# KiCad board slime88.kicad_pcb (continued)
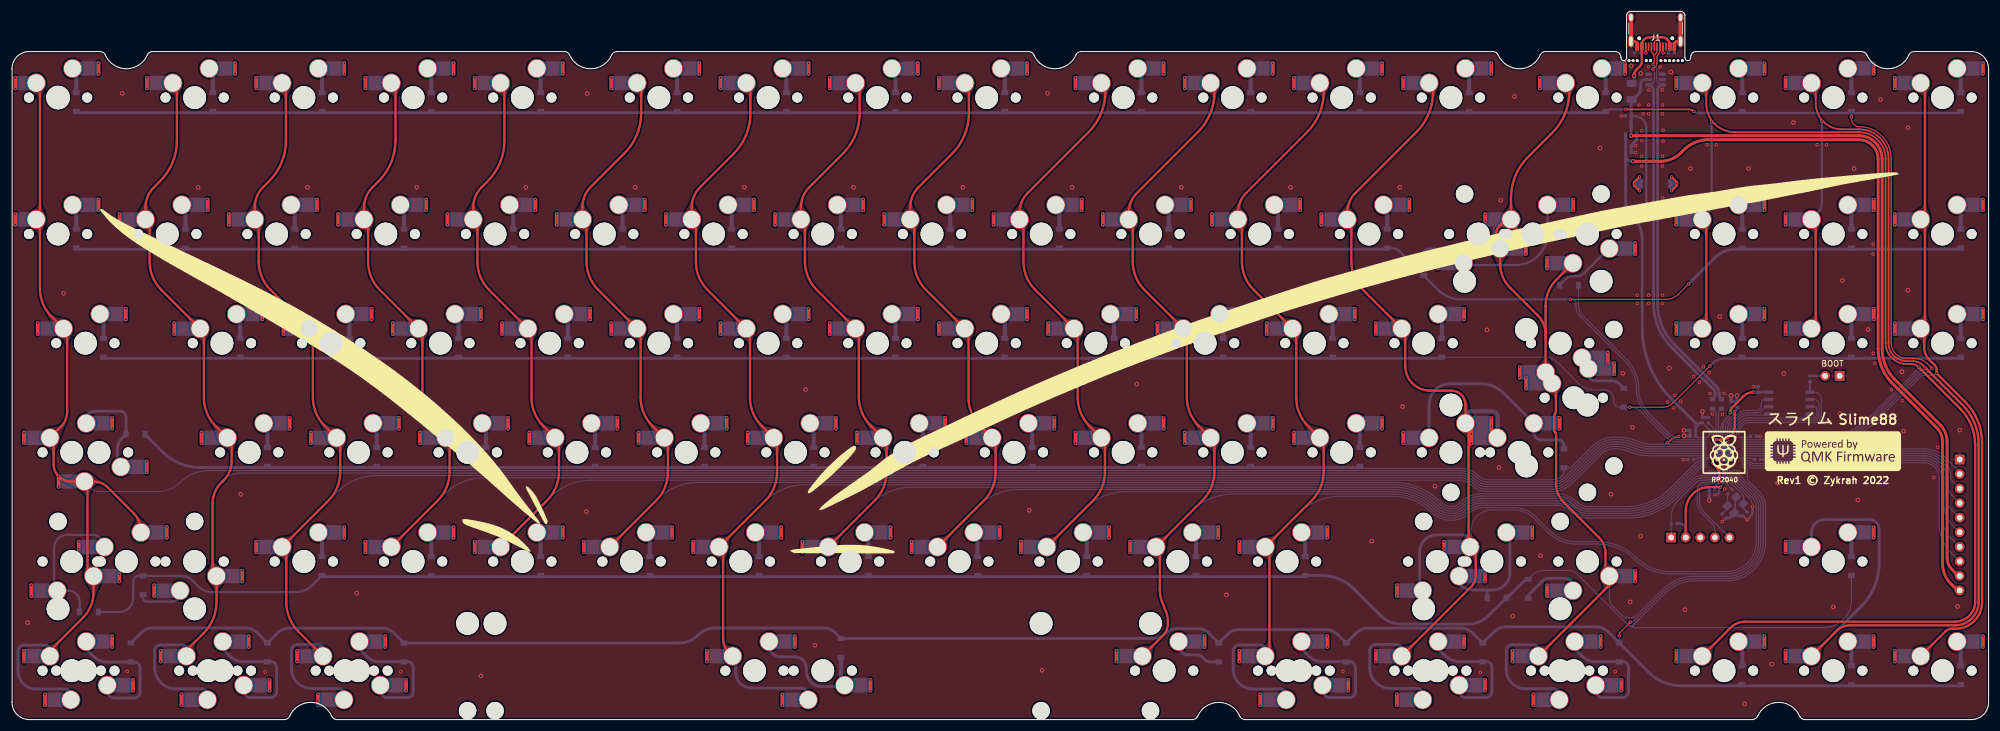
[diagram p0: board, top side]
## Copper pours and planes (outline as drawn; the poured copper is in the pictures) (continued)
Net-(D11-Pad2) on Bottom: 216.34,110.44 216.35,110.87 216.4,111.23 216.47,111.54 216.55,111.81 216.64,112.06 216.73,112.3 216.82,112.55 216.9,112.83 216.96,113.15 217,113.52 215.04,114.38 214.26,112.38 214.49,112.19 214.7,112.03 214.9,111.88 215.08,111.74 215.24,111.6 215.38,111.44 215.49,111.25 215.57,111.03 215.62,110.77 215.64,110.44
Net-(D12-Pad2) on Bottom: 235.39,110.44 235.4,110.87 235.45,111.23 235.52,111.54 235.6,111.81 235.69,112.06 235.78,112.3 235.87,112.55 235.95,112.83 236.01,113.15 236.05,113.52 234.09,114.38 233.31,112.38 233.54,112.19 233.75,112.03 233.95,111.88 234.13,111.74 234.29,111.6 234.43,111.44 234.54,111.25 234.62,111.03 234.67,110.77 234.69,110.44
Net-(D13-Pad2) on Bottom: 254.44,110.44 254.45,110.87 254.5,111.23 254.57,111.54 254.65,111.81 254.74,112.06 254.83,112.3 254.92,112.55 255,112.83 255.06,113.15 255.1,113.52 253.14,114.38 252.36,112.38 252.59,112.19 252.8,112.03 253,111.88 253.18,111.74 253.34,111.6 253.48,111.44 253.59,111.25 253.67,111.03 253.72,110.77 253.74,110.44
Net-(D14-Pad2) on Bottom: 278.25,110.44 278.27,110.87 278.31,111.24 278.38,111.54 278.46,111.81 278.55,112.06 278.65,112.3 278.74,112.55 278.81,112.83 278.87,113.15 278.91,113.52 276.95,114.38 276.17,112.38 276.4,112.19 276.61,112.03 276.81,111.88 276.99,111.74 277.15,111.6 277.29,111.44 277.4,111.26 277.48,111.04 277.53,110.77 277.55,110.44
Net-(D15-Pad2) on Bottom: 302.06,110.44 302.08,110.87 302.12,111.23 302.19,111.54 302.27,111.81 302.36,112.06 302.46,112.3 302.55,112.55 302.63,112.83 302.69,113.15 302.72,113.52 300.76,114.38 299.98,112.38 300.21,112.19 300.42,112.03 300.62,111.88 300.8,111.74 300.96,111.6 301.1,111.44 301.21,111.25 301.29,111.03 301.34,110.77 301.36,110.44
Net-(D16-Pad2) on Bottom: 321.11,110.44 321.13,110.87 321.17,111.23 321.24,111.54 321.32,111.81 321.41,112.06 321.51,112.3 321.6,112.55 321.68,112.83 321.74,113.15 321.77,113.52 319.81,114.38 319.03,112.38 319.26,112.19 319.47,112.03 319.67,111.88 319.85,111.74 320.01,111.6 320.15,111.44 320.26,111.25 320.34,111.03 320.39,110.77 320.41,110.44
Net-(D17-Pad2) on Bottom: 340.16,110.44 340.18,110.87 340.22,111.23 340.29,111.54 340.37,111.81 340.46,112.06 340.56,112.3 340.65,112.55 340.73,112.83 340.79,113.15 340.82,113.52 338.86,114.38 338.08,112.38 338.31,112.19 338.52,112.03 338.72,111.88 338.9,111.74 339.06,111.6 339.2,111.44 339.31,111.25 339.39,111.03 339.44,110.77 339.46,110.44
Net-(D18-Pad2) on Bottom: 11.55,86.63 11.57,87.06 11.61,87.42 11.68,87.73 11.76,88 11.85,88.25 11.95,88.49 12.03,88.74 12.11,89.01 12.17,89.33 12.21,89.71 10.25,90.57 9.47,88.57 9.7,88.38 9.91,88.22 10.11,88.07 10.29,87.93 10.45,87.79 10.59,87.63 10.7,87.44 10.78,87.22 10.83,86.95 10.85,86.63
Net-(D19-Pad2) on Bottom: 30.6,86.63 30.62,87.06 30.66,87.42 30.73,87.73 30.81,88 30.9,88.25 31,88.49 31.08,88.74 31.16,89.01 31.22,89.33 31.26,89.71 29.3,90.57 28.52,88.57 28.75,88.38 28.96,88.22 29.16,88.07 29.34,87.93 29.5,87.79 29.64,87.63 29.75,87.44 29.83,87.22 29.88,86.95 29.9,86.63
Net-(D20-Pad2) on Bottom: 49.65,86.63 49.67,87.06 49.71,87.42 49.78,87.73 49.86,88 49.95,88.25 50.05,88.49 50.13,88.74 50.21,89.01 50.27,89.33 50.31,89.71 48.35,90.57 47.57,88.57 47.8,88.38 48.01,88.22 48.21,88.07 48.39,87.93 48.55,87.79 48.69,87.63 48.8,87.44 48.88,87.22 48.93,86.95 48.95,86.63
Net-(D21-Pad2) on Bottom: 68.7,86.63 68.72,87.06 68.76,87.42 68.83,87.73 68.91,88 69,88.25 69.1,88.49 69.18,88.74 69.26,89.01 69.32,89.33 69.36,89.71 67.4,90.57 66.62,88.57 66.85,88.38 67.06,88.22 67.26,88.07 67.44,87.93 67.6,87.79 67.74,87.63 67.85,87.44 67.93,87.22 67.98,86.95 68,86.63
Net-(D22-Pad2) on Bottom: 87.75,86.63 87.77,87.06 87.81,87.42 87.88,87.73 87.96,88 88.05,88.25 88.15,88.49 88.23,88.74 88.31,89.01 88.37,89.33 88.41,89.71 86.45,90.57 85.67,88.57 85.9,88.38 86.11,88.22 86.31,88.07 86.49,87.93 86.65,87.79 86.79,87.63 86.9,87.44 86.98,87.22 87.03,86.95 87.05,86.63
Net-(D23-Pad2) on Bottom: 106.8,86.63 106.82,87.06 106.86,87.42 106.93,87.73 107.01,88 107.1,88.25 107.2,88.49 107.28,88.74 107.36,89.01 107.42,89.33 107.46,89.71 105.5,90.57 104.72,88.57 104.95,88.38 105.16,88.22 105.36,88.07 105.54,87.93 105.7,87.79 105.84,87.63 105.95,87.44 106.03,87.22 106.08,86.95 106.1,86.63
Net-(D24-Pad2) on Bottom: 125.85,86.63 125.87,87.06 125.91,87.42 125.98,87.73 126.06,88 126.15,88.25 126.25,88.49 126.33,88.74 126.41,89.01 126.47,89.33 126.51,89.71 124.55,90.57 123.77,88.57 124,88.38 124.21,88.22 124.41,88.07 124.59,87.93 124.75,87.79 124.89,87.63 125,87.44 125.08,87.22 125.13,86.95 125.15,86.63
Net-(D25-Pad2) on Bottom: 144.9,86.63 144.92,87.06 144.96,87.42 145.03,87.73 145.11,88 145.2,88.25 145.3,88.49 145.38,88.74 145.46,89.01 145.52,89.33 145.56,89.71 143.6,90.57 142.82,88.57 143.05,88.38 143.26,88.22 143.46,88.07 143.64,87.93 143.8,87.79 143.94,87.63 144.05,87.44 144.13,87.22 144.18,86.95 144.2,86.63
Net-(D26-Pad2) on Bottom: 163.95,86.63 163.97,87.06 164.01,87.42 164.08,87.73 164.16,88 164.25,88.25 164.35,88.49 164.43,88.74 164.51,89.01 164.57,89.33 164.61,89.71 162.65,90.57 161.87,88.57 162.1,88.38 162.31,88.22 162.51,88.07 162.69,87.93 162.85,87.79 162.99,87.63 163.1,87.44 163.18,87.22 163.23,86.95 163.25,86.63
Net-(D27-Pad2) on Bottom: 183,86.63 183.02,87.06 183.06,87.42 183.13,87.73 183.21,88 183.3,88.25 183.4,88.49 183.48,88.74 183.56,89.01 183.62,89.33 183.66,89.71 181.7,90.57 180.92,88.57 181.15,88.38 181.36,88.22 181.56,88.07 181.74,87.93 181.9,87.79 182.04,87.63 182.15,87.44 182.23,87.22 182.28,86.95 182.3,86.63
Net-(D28-Pad2) on Bottom: 202.05,86.63 202.07,87.06 202.11,87.42 202.18,87.73 202.26,88 202.35,88.25 202.45,88.49 202.53,88.74 202.61,89.01 202.67,89.33 202.71,89.71 200.75,90.57 199.97,88.57 200.2,88.38 200.41,88.22 200.61,88.07 200.79,87.93 200.95,87.79 201.09,87.63 201.2,87.44 201.28,87.22 201.33,86.95 201.35,86.63
Net-(D29-Pad2) on Bottom: 221.1,86.63 221.12,87.06 221.16,87.42 221.23,87.73 221.31,88 221.4,88.25 221.5,88.49 221.58,88.74 221.66,89.01 221.72,89.33 221.76,89.71 219.8,90.57 219.02,88.57 219.25,88.38 219.46,88.22 219.66,88.07 219.84,87.93 220,87.79 220.14,87.63 220.25,87.44 220.33,87.22 220.38,86.95 220.4,86.63
Net-(D30-Pad2) on Bottom: 240.15,86.63 240.17,87.06 240.21,87.42 240.28,87.73 240.36,88 240.45,88.25 240.55,88.49 240.64,88.74 240.71,89.02 240.77,89.33 240.81,89.71 238.85,90.57 238.07,88.57 238.3,88.38 238.51,88.22 238.71,88.07 238.89,87.93 239.05,87.79 239.19,87.63 239.3,87.44 239.38,87.22 239.43,86.95 239.45,86.63
Net-(D31-Pad2) on Bottom: 256.4,79.51 256.04,79.53 255.74,79.59 255.5,79.68 255.3,79.81 255.12,79.96 254.96,80.13 254.79,80.32 254.61,80.52 254.4,80.74 254.14,80.95 252.33,79.81 253.54,78.04 253.89,78.15 254.19,78.28 254.45,78.42 254.67,78.56 254.89,78.7 255.11,78.83 255.36,78.94 255.64,79.03 255.99,79.09 256.4,79.11
Net-(D31-Pad2) on Bottom: 250.9,81.95 251.17,81.94 251.37,81.87 251.52,81.74 251.61,81.57 251.66,81.35 251.68,81.1 251.67,80.83 251.63,80.55 251.58,80.27 251.52,80 253.33,78.84 252.94,81.28 252.67,81.29 252.44,81.36 252.26,81.49 252.1,81.64 251.95,81.82 251.79,81.99 251.62,82.15 251.42,82.27 251.17,82.34 250.85,82.34
Net-(D31-Pad2) on Bottom: 267.97,86.5 267.99,86.89 268.05,87.22 268.14,87.48 268.26,87.71 268.4,87.91 268.55,88.1 268.72,88.31 268.9,88.53 269.07,88.79 269.24,89.11 267.73,90.63 266.27,89.06 266.44,88.75 266.62,88.5 266.8,88.28 266.97,88.08 267.13,87.89 267.27,87.7 267.39,87.47 267.48,87.21 267.54,86.89 267.56,86.5
Net-(D32-Pad2) on Bottom: 276.29,79.76 276.58,80.02 276.84,80.2 277.09,80.32 277.33,80.39 277.57,80.42 277.82,80.44 278.08,80.45 278.36,80.47 278.67,80.52 279.01,80.6 279.14,82.74 277,82.79 276.89,82.45 276.81,82.14 276.77,81.86 276.74,81.6 276.71,81.35 276.67,81.11 276.59,80.87 276.46,80.61 276.27,80.34 276.01,80.04
Net-(D33-Pad2) on Bottom: 302.06,86.63 302.08,87.06 302.12,87.42 302.19,87.73 302.27,88 302.36,88.25 302.46,88.49 302.55,88.74 302.63,89.01 302.69,89.33 302.72,89.71 300.76,90.57 299.98,88.57 300.21,88.38 300.42,88.22 300.62,88.07 300.8,87.93 300.96,87.79 301.1,87.63 301.21,87.44 301.29,87.22 301.34,86.95 301.36,86.63
Net-(D34-Pad2) on Bottom: 321.11,86.63 321.13,87.06 321.17,87.42 321.24,87.73 321.32,88 321.41,88.25 321.51,88.49 321.6,88.74 321.68,89.01 321.74,89.33 321.77,89.71 319.81,90.57 319.03,88.57 319.26,88.38 319.47,88.22 319.67,88.07 319.85,87.93 320.01,87.79 320.15,87.63 320.26,87.44 320.34,87.22 320.39,86.95 320.41,86.63
Net-(D35-Pad2) on Bottom: 340.16,86.63 340.18,87.06 340.22,87.42 340.29,87.73 340.37,88 340.46,88.25 340.56,88.49 340.65,88.74 340.73,89.01 340.79,89.33 340.82,89.71 338.86,90.57 338.08,88.57 338.31,88.38 338.52,88.22 338.72,88.07 338.9,87.93 339.06,87.79 339.2,87.63 339.31,87.44 339.39,87.22 339.44,86.95 339.46,86.63
Net-(D36-Pad2) on Bottom: 16.31,67.58 16.33,68.01 16.37,68.37 16.44,68.68 16.52,68.95 16.61,69.2 16.71,69.44 16.8,69.69 16.88,69.97 16.94,70.28 16.97,70.66 15.01,71.52 14.23,69.52 14.46,69.33 14.68,69.17 14.87,69.02 15.05,68.88 15.21,68.74 15.35,68.58 15.46,68.39 15.54,68.17 15.59,67.9 15.61,67.58
Net-(D37-Pad2) on Bottom: 40.12,67.58 40.14,68.01 40.19,68.37 40.25,68.68 40.34,68.95 40.43,69.2 40.52,69.44 40.61,69.69 40.69,69.96 40.75,70.28 40.79,70.66 38.82,71.52 38.04,69.52 38.27,69.33 38.49,69.17 38.69,69.02 38.87,68.88 39.03,68.74 39.16,68.58 39.27,68.39 39.36,68.17 39.41,67.9 39.42,67.58
Net-(D38-Pad2) on Bottom: 59.17,67.58 59.19,68.01 59.24,68.37 59.3,68.68 59.39,68.95 59.48,69.2 59.57,69.44 59.66,69.69 59.74,69.97 59.8,70.28 59.84,70.66 57.87,71.52 57.1,69.52 57.32,69.33 57.54,69.17 57.74,69.02 57.92,68.88 58.08,68.74 58.21,68.58 58.32,68.39 58.41,68.17 58.46,67.9 58.48,67.58
Net-(D39-Pad2) on Bottom: 78.23,67.58 78.24,68.01 78.29,68.37 78.35,68.68 78.44,68.95 78.53,69.2 78.62,69.44 78.71,69.69 78.79,69.96 78.85,70.28 78.89,70.66 76.92,71.52 76.14,69.52 76.37,69.33 76.59,69.17 76.79,69.02 76.97,68.88 77.13,68.74 77.26,68.58 77.37,68.39 77.46,68.17 77.51,67.9 77.53,67.58
Net-(D40-Pad2) on Bottom: 97.27,67.58 97.29,68.01 97.34,68.37 97.4,68.68 97.49,68.95 97.58,69.2 97.67,69.44 97.76,69.69 97.84,69.96 97.9,70.28 97.94,70.66 95.97,71.52 95.19,69.52 95.42,69.33 95.64,69.17 95.84,69.02 96.02,68.88 96.18,68.74 96.31,68.58 96.42,68.39 96.51,68.17 96.56,67.9 96.58,67.58
Net-(D41-Pad2) on Bottom: 116.33,67.58 116.34,68.01 116.39,68.37 116.45,68.68 116.54,68.95 116.63,69.2 116.72,69.44 116.81,69.69 116.89,69.96 116.95,70.28 116.99,70.66 115.02,71.52 114.24,69.52 114.47,69.33 114.69,69.17 114.89,69.02 115.07,68.88 115.23,68.74 115.36,68.58 115.47,68.39 115.56,68.17 115.61,67.9 115.63,67.58
Net-(D42-Pad2) on Bottom: 135.38,67.58 135.39,68.01 135.44,68.37 135.5,68.68 135.59,68.95 135.68,69.2 135.77,69.44 135.86,69.69 135.94,69.96 136,70.28 136.04,70.66 134.07,71.52 133.29,69.52 133.52,69.33 133.74,69.17 133.94,69.02 134.12,68.88 134.28,68.74 134.41,68.58 134.52,68.39 134.61,68.17 134.66,67.9 134.68,67.58
Net-(D43-Pad2) on Bottom: 154.43,67.58 154.44,68.01 154.49,68.37 154.55,68.68 154.64,68.95 154.73,69.2 154.82,69.44 154.91,69.69 154.99,69.96 155.05,70.28 155.09,70.66 153.12,71.52 152.34,69.52 152.57,69.33 152.79,69.17 152.99,69.02 153.17,68.88 153.33,68.74 153.46,68.58 153.57,68.39 153.66,68.17 153.71,67.9 153.73,67.58
Net-(D44-Pad2) on Bottom: 173.48,67.58 173.49,68.01 173.54,68.37 173.6,68.68 173.69,68.95 173.78,69.2 173.87,69.44 173.96,69.69 174.04,69.96 174.1,70.28 174.14,70.66 172.17,71.52 171.39,69.52 171.62,69.33 171.84,69.17 172.04,69.02 172.22,68.88 172.38,68.74 172.51,68.58 172.62,68.39 172.71,68.17 172.76,67.9 172.77,67.58
Net-(D45-Pad2) on Bottom: 192.52,67.58 192.54,68.01 192.59,68.37 192.65,68.68 192.74,68.95 192.83,69.2 192.92,69.44 193.01,69.69 193.09,69.96 193.15,70.28 193.19,70.66 191.22,71.52 190.44,69.52 190.67,69.33 190.89,69.17 191.09,69.02 191.27,68.88 191.43,68.74 191.56,68.58 191.67,68.39 191.76,68.17 191.81,67.9 191.82,67.58
Net-(D46-Pad2) on Bottom: 211.57,67.58 211.59,68.01 211.64,68.37 211.7,68.68 211.79,68.95 211.88,69.2 211.97,69.44 212.06,69.69 212.14,69.96 212.2,70.28 212.24,70.66 210.27,71.52 209.49,69.52 209.72,69.33 209.94,69.17 210.14,69.02 210.32,68.88 210.48,68.74 210.61,68.58 210.72,68.39 210.81,68.17 210.86,67.9 210.88,67.58
Net-(D47-Pad2) on Bottom: 230.62,67.58 230.64,68.01 230.69,68.37 230.75,68.68 230.84,68.95 230.93,69.2 231.02,69.44 231.11,69.69 231.19,69.96 231.25,70.28 231.29,70.66 229.32,71.52 228.54,69.52 228.77,69.33 228.99,69.17 229.19,69.02 229.37,68.88 229.53,68.74 229.66,68.58 229.77,68.39 229.86,68.17 229.91,67.9 229.93,67.58
Net-(D48-Pad2) on Bottom: 249.68,67.58 249.69,68.01 249.74,68.37 249.8,68.68 249.89,68.95 249.98,69.2 250.07,69.44 250.16,69.69 250.24,69.96 250.3,70.28 250.34,70.66 248.37,71.52 247.59,69.52 247.82,69.33 248.04,69.17 248.24,69.02 248.42,68.88 248.58,68.74 248.71,68.58 248.82,68.39 248.91,68.17 248.96,67.9 248.98,67.58
Net-(D49-Pad2) on Bottom: 275.23,60.15 275.24,60.56 275.25,60.91 275.27,61.2 275.3,61.46 275.32,61.71 275.35,61.94 275.38,62.19 275.4,62.45 275.41,62.76 275.42,63.12 273.42,63.88 272.74,61.85 272.99,61.67 273.25,61.53 273.49,61.42 273.73,61.32 273.95,61.21 274.14,61.09 274.3,60.94 274.43,60.74 274.51,60.48 274.53,60.15
Net-(D49-Pad2) on Bottom: 273.42,63.14 273.42,62.93 273.42,62.74 273.41,62.57 273.41,62.41 273.4,62.26 273.39,62.13 273.37,62.01 273.35,61.91 273.34,61.82 273.31,61.74 275.44,60.62 274.53,62.84 274.49,62.84 274.45,62.84 274.4,62.85 274.35,62.86 274.29,62.89 274.24,62.92 274.19,62.96 274.16,63.01 274.13,63.07 274.12,63.14
Net-(D49-Pad2) on Bottom: 276.59,59.37 276.42,59.39 276.3,59.45 276.23,59.55 276.19,59.67 276.19,59.82 276.22,59.98 276.26,60.15 276.32,60.33 276.38,60.51 276.44,60.68 274.79,62.05 274.88,59.58 275.1,59.56 275.29,59.51 275.44,59.43 275.57,59.33 275.7,59.22 275.82,59.12 275.97,59.02 276.13,58.94 276.34,58.89 276.59,58.87
Net-(D50-Pad2) on Bottom: 302.06,67.58 302.08,68.01 302.12,68.37 302.19,68.68 302.27,68.95 302.36,69.2 302.46,69.44 302.55,69.69 302.63,69.96 302.69,70.28 302.72,70.66 300.76,71.52 299.98,69.52 300.21,69.33 300.42,69.17 300.62,69.02 300.8,68.88 300.96,68.74 301.1,68.58 301.21,68.39 301.29,68.17 301.34,67.9 301.36,67.58
Net-(D51-Pad2) on Bottom: 321.11,67.58 321.13,68.01 321.17,68.37 321.24,68.68 321.32,68.95 321.41,69.2 321.51,69.44 321.6,69.69 321.68,69.96 321.74,70.28 321.77,70.66 319.81,71.52 319.03,69.52 319.26,69.33 319.47,69.17 319.67,69.02 319.85,68.88 320.01,68.74 320.15,68.58 320.26,68.39 320.34,68.17 320.39,67.9 320.41,67.58
Net-(D52-Pad2) on Bottom: 340.16,67.58 340.18,68.01 340.22,68.37 340.29,68.68 340.37,68.95 340.46,69.2 340.56,69.44 340.65,69.69 340.73,69.96 340.79,70.28 340.82,70.66 338.86,71.52 338.08,69.52 338.31,69.33 338.52,69.17 338.72,69.02 338.9,68.88 339.06,68.74 339.2,68.58 339.31,68.39 339.39,68.17 339.44,67.9 339.46,67.58
Net-(D53-Pad2) on Bottom: 14.82,54.06 14.55,54.04 14.33,53.98 14.14,53.91 13.98,53.81 13.84,53.71 13.7,53.6 13.55,53.51 13.38,53.43 13.19,53.37 12.95,53.36 12.77,50.9 14.55,52.08 14.5,52.28 14.45,52.48 14.4,52.69 14.37,52.88 14.35,53.06 14.36,53.22 14.4,53.36 14.49,53.47 14.63,53.53 14.82,53.56
Net-(D53-Pad2) on Bottom: 18.59,48.76 18.33,48.29 18.17,47.87 18.08,47.49 18.05,47.13 18.04,46.79 18.03,46.46 18.01,46.12 17.94,45.76 17.81,45.38 17.58,44.97 19.3,43.32 20.07,45.32 19.75,45.61 19.45,45.89 19.19,46.17 18.96,46.45 18.79,46.74 18.68,47.05 18.63,47.37 18.67,47.71 18.79,48.09 19.01,48.49
Net-(D54-Pad2) on Bottom: 44.89,48.53 44.9,48.96 44.95,49.32 45.02,49.63 45.1,49.9 45.19,50.15 45.28,50.39 45.37,50.64 45.45,50.91 45.51,51.23 45.55,51.61 43.59,52.47 42.81,50.47 43.04,50.28 43.25,50.12 43.45,49.97 43.63,49.83 43.79,49.69 43.93,49.53 44.04,49.34 44.12,49.12 44.17,48.85 44.19,48.53
Net-(D55-Pad2) on Bottom: 63.94,48.53 63.95,48.96 64,49.32 64.07,49.63 64.15,49.9 64.24,50.15 64.33,50.39 64.42,50.64 64.5,50.91 64.56,51.23 64.6,51.61 62.64,52.47 61.86,50.47 62.09,50.28 62.3,50.12 62.5,49.97 62.68,49.83 62.84,49.69 62.98,49.53 63.09,49.34 63.17,49.12 63.22,48.85 63.24,48.53
Net-(D56-Pad2) on Bottom: 82.99,48.53 83,48.96 83.05,49.32 83.12,49.63 83.2,49.9 83.29,50.15 83.38,50.39 83.47,50.64 83.55,50.91 83.61,51.23 83.65,51.61 81.69,52.47 80.91,50.47 81.14,50.28 81.35,50.12 81.55,49.97 81.73,49.83 81.89,49.69 82.03,49.53 82.14,49.34 82.22,49.12 82.27,48.85 82.29,48.53
Net-(D57-Pad2) on Bottom: 102.04,48.53 102.05,48.96 102.1,49.32 102.17,49.63 102.25,49.9 102.34,50.15 102.43,50.39 102.52,50.64 102.6,50.91 102.66,51.23 102.7,51.61 100.74,52.47 99.96,50.47 100.19,50.28 100.4,50.12 100.6,49.97 100.78,49.83 100.94,49.69 101.08,49.53 101.19,49.34 101.27,49.12 101.32,48.85 101.34,48.53
Net-(D58-Pad2) on Bottom: 121.09,48.53 121.1,48.96 121.15,49.32 121.22,49.63 121.3,49.9 121.39,50.15 121.48,50.39 121.57,50.64 121.65,50.91 121.71,51.23 121.75,51.61 119.79,52.47 119.01,50.47 119.24,50.28 119.45,50.12 119.65,49.97 119.83,49.83 119.99,49.69 120.13,49.53 120.24,49.34 120.32,49.12 120.37,48.85 120.39,48.53
Net-(D59-Pad2) on Bottom: 140.14,48.53 140.15,48.96 140.2,49.32 140.27,49.63 140.35,49.9 140.44,50.15 140.53,50.39 140.62,50.64 140.7,50.91 140.76,51.23 140.8,51.61 138.84,52.47 138.06,50.47 138.29,50.28 138.5,50.12 138.7,49.97 138.88,49.83 139.04,49.69 139.18,49.53 139.29,49.34 139.37,49.12 139.42,48.85 139.44,48.53
Net-(D60-Pad2) on Bottom: 159.19,48.53 159.2,48.96 159.25,49.32 159.32,49.63 159.4,49.9 159.49,50.15 159.58,50.39 159.67,50.64 159.75,50.91 159.81,51.23 159.85,51.61 157.89,52.47 157.11,50.47 157.34,50.28 157.55,50.12 157.75,49.97 157.93,49.83 158.09,49.69 158.23,49.53 158.34,49.34 158.42,49.12 158.47,48.85 158.49,48.53
Net-(D61-Pad2) on Bottom: 178.24,48.53 178.25,48.96 178.3,49.32 178.37,49.63 178.45,49.9 178.54,50.15 178.63,50.39 178.72,50.64 178.8,50.91 178.86,51.23 178.9,51.61 176.94,52.47 176.16,50.47 176.39,50.28 176.6,50.12 176.8,49.97 176.98,49.83 177.14,49.69 177.28,49.53 177.39,49.34 177.47,49.12 177.52,48.85 177.54,48.53
Net-(D62-Pad2) on Bottom: 197.29,48.53 197.3,48.96 197.35,49.32 197.42,49.63 197.5,49.9 197.59,50.15 197.68,50.39 197.77,50.64 197.85,50.91 197.91,51.23 197.95,51.61 195.99,52.47 195.21,50.47 195.44,50.28 195.65,50.12 195.85,49.97 196.03,49.83 196.19,49.69 196.33,49.53 196.44,49.34 196.52,49.12 196.57,48.85 196.59,48.53
Net-(D63-Pad2) on Bottom: 216.34,48.53 216.35,48.96 216.4,49.32 216.47,49.63 216.55,49.9 216.64,50.15 216.73,50.39 216.82,50.64 216.9,50.91 216.96,51.23 217,51.61 215.04,52.47 214.26,50.47 214.49,50.28 214.7,50.12 214.9,49.97 215.08,49.83 215.24,49.69 215.38,49.53 215.49,49.34 215.57,49.12 215.62,48.85 215.64,48.53
Net-(D64-Pad2) on Bottom: 235.39,48.53 235.4,48.96 235.45,49.32 235.52,49.63 235.6,49.9 235.69,50.15 235.78,50.39 235.87,50.64 235.95,50.91 236.01,51.23 236.05,51.61 234.09,52.47 233.31,50.47 233.54,50.28 233.75,50.12 233.95,49.97 234.13,49.83 234.29,49.69 234.43,49.53 234.54,49.34 234.62,49.12 234.67,48.85 234.69,48.53
Net-(D65-Pad2) on Bottom: 266.41,49.08 266.17,49.17 266.05,49.3 266.01,49.46 266.05,49.65 266.14,49.85 266.27,50.07 266.42,50.3 266.59,50.54 266.74,50.79 266.87,51.03 265.33,52.53 264.92,50.11 265.14,50.02 265.3,49.89 265.41,49.73 265.49,49.55 265.55,49.37 265.62,49.18 265.71,49 265.84,48.83 266.02,48.7 266.27,48.59
Net-(D65-Pad2) on Bottom: 262.86,53.85 263.12,53.57 263.3,53.3 263.43,53.05 263.5,52.81 263.55,52.58 263.58,52.33 263.6,52.08 263.64,51.8 263.7,51.5 263.8,51.16 265.94,51.12 265.9,53.26 265.56,53.36 265.26,53.42 264.99,53.46 264.73,53.48 264.49,53.51 264.25,53.56 264.01,53.64 263.76,53.76 263.5,53.95 263.21,54.21
Net-(D65-Pad2) on Bottom: 270.3,48.11 270.34,48.02 270.36,47.94 270.37,47.87 270.37,47.8 270.36,47.74 270.34,47.68 270.32,47.62 270.29,47.55 270.22,47.42 270.62,47 271.03,47.42 270.99,47.51 270.96,47.6 270.94,47.68 270.92,47.76 270.89,47.92 270.87,48.01 270.84,48.1 270.8,48.21 270.75,48.33
Net-(D65-Pad2) on Bottom: 246.85,52.45 246.83,52.07 246.78,51.75 246.69,51.48 246.58,51.26 246.44,51.06 246.29,50.87 246.13,50.67 245.96,50.45 245.79,50.19 245.62,49.88 247.1,48.34 248.59,49.88 248.42,50.19 248.25,50.45 248.08,50.67 247.92,50.87 247.76,51.06 247.63,51.26 247.52,51.48 247.43,51.75 247.37,52.07 247.35,52.45
Net-(D66-Pad2) on Bottom: 11.46,21.96 11.2,22.24 10.94,22.45 10.7,22.6 10.47,22.72 10.25,22.81 10.03,22.9 9.81,23 9.59,23.14 9.36,23.32 9.12,23.57 7.04,22.5 8.59,21.01 8.89,21.18 9.18,21.38 9.45,21.58 9.7,21.77 9.95,21.93 10.19,22.04 10.42,22.09 10.66,22.06 10.91,21.94 11.16,21.7
Net-(D66-Pad2) on Bottom: 7.12,25.71 7.1,25.28 7.05,24.92 6.96,24.62 6.86,24.36 6.74,24.13 6.61,23.9 6.49,23.65 6.38,23.38 6.29,23.07 6.23,22.69 8.14,21.72 9.03,23.66 8.8,23.88 8.57,24.06 8.36,24.21 8.16,24.36 7.98,24.51 7.83,24.67 7.7,24.85 7.61,25.08 7.55,25.36 7.53,25.71
Net-(D66-Pad2) on Bottom: 13.94,32.03 14.2,32 14.38,31.91 14.49,31.78 14.56,31.61 14.58,31.4 14.57,31.17 14.54,30.92 14.51,30.65 14.48,30.38 14.47,30.11 16.48,29.37 16.12,31.77 15.85,31.78 15.62,31.83 15.42,31.91 15.24,32 15.08,32.1 14.91,32.19 14.72,32.28 14.51,32.36 14.25,32.41 13.94,32.43
Net-(D67-Pad2) on Bottom: 27.15,20.38 27.45,20.39 27.7,20.43 27.92,20.48 28.1,20.54 28.27,20.61 28.44,20.68 28.61,20.74 28.81,20.8 29.03,20.83 29.3,20.85 29.6,23.26 27.65,22.37 27.67,22.14 27.7,21.92 27.73,21.7 27.74,21.49 27.74,21.3 27.7,21.13 27.64,20.98 27.53,20.87 27.37,20.8 27.15,20.78
Net-(D68-Pad2) on Bottom: 54.41,29.48 54.43,29.91 54.47,30.27 54.54,30.58 54.62,30.85 54.71,31.1 54.81,31.34 54.9,31.59 54.98,31.86 55.04,32.18 55.07,32.56 53.11,33.42 52.33,31.42 52.56,31.23 52.77,31.07 52.97,30.92 53.15,30.78 53.31,30.64 53.45,30.48 53.56,30.29 53.64,30.07 53.69,29.8 53.71,29.48
Net-(D69-Pad2) on Bottom: 73.46,29.48 73.48,29.91 73.52,30.27 73.59,30.58 73.67,30.85 73.76,31.1 73.86,31.34 73.95,31.59 74.03,31.86 74.09,32.18 74.12,32.56 72.16,33.42 71.38,31.42 71.61,31.23 71.82,31.07 72.02,30.92 72.2,30.78 72.36,30.64 72.5,30.48 72.61,30.29 72.69,30.07 72.74,29.8 72.76,29.48
Net-(D70-Pad2) on Bottom: 92.51,29.48 92.53,29.91 92.57,30.27 92.64,30.58 92.72,30.85 92.81,31.1 92.91,31.34 93,31.59 93.08,31.86 93.14,32.18 93.17,32.56 91.21,33.42 90.43,31.42 90.66,31.23 90.87,31.07 91.07,30.92 91.25,30.78 91.41,30.64 91.55,30.48 91.66,30.29 91.74,30.07 91.79,29.8 91.81,29.48
Net-(D71-Pad2) on Bottom: 111.56,29.48 111.58,29.91 111.62,30.27 111.69,30.58 111.77,30.85 111.86,31.1 111.96,31.34 112.05,31.59 112.13,31.86 112.19,32.18 112.22,32.56 110.26,33.42 109.48,31.42 109.71,31.23 109.92,31.07 110.12,30.92 110.3,30.78 110.46,30.64 110.6,30.48 110.71,30.29 110.79,30.07 110.84,29.8 110.86,29.48
Net-(D72-Pad2) on Bottom: 130.61,29.48 130.63,29.91 130.67,30.27 130.74,30.58 130.82,30.85 130.91,31.1 131.01,31.34 131.1,31.59 131.18,31.86 131.24,32.18 131.27,32.56 129.31,33.42 128.53,31.42 128.76,31.23 128.97,31.07 129.17,30.92 129.35,30.78 129.51,30.64 129.65,30.48 129.76,30.29 129.84,30.07 129.89,29.8 129.91,29.48
Net-(D73-Pad2) on Bottom: 149.66,29.48 149.68,29.91 149.72,30.27 149.79,30.58 149.87,30.85 149.96,31.1 150.06,31.34 150.15,31.59 150.23,31.86 150.29,32.18 150.32,32.56 148.36,33.42 147.58,31.42 147.81,31.23 148.02,31.07 148.22,30.92 148.4,30.78 148.56,30.64 148.7,30.48 148.81,30.29 148.89,30.07 148.94,29.8 148.96,29.48
Net-(D74-Pad2) on Bottom: 168.71,29.48 168.73,29.91 168.77,30.27 168.84,30.58 168.92,30.85 169.01,31.1 169.11,31.34 169.2,31.59 169.28,31.86 169.34,32.18 169.37,32.56 167.41,33.42 166.63,31.42 166.86,31.23 167.07,31.07 167.27,30.92 167.45,30.78 167.61,30.64 167.75,30.48 167.86,30.29 167.94,30.07 167.99,29.8 168.01,29.48
Net-(D75-Pad2) on Bottom: 187.76,29.48 187.78,29.91 187.82,30.27 187.89,30.58 187.97,30.85 188.06,31.1 188.16,31.34 188.25,31.59 188.33,31.86 188.39,32.18 188.42,32.56 186.46,33.42 185.68,31.42 185.91,31.23 186.12,31.07 186.32,30.92 186.5,30.78 186.66,30.64 186.8,30.48 186.91,30.29 186.99,30.07 187.04,29.8 187.06,29.48
Net-(D76-Pad2) on Bottom: 206.81,29.48 206.83,29.91 206.87,30.27 206.94,30.58 207.02,30.85 207.11,31.1 207.21,31.34 207.3,31.59 207.38,31.86 207.44,32.18 207.47,32.56 205.51,33.42 204.73,31.42 204.96,31.23 205.17,31.07 205.37,30.92 205.55,30.78 205.71,30.64 205.85,30.48 205.96,30.29 206.04,30.07 206.09,29.8 206.11,29.48
Net-(D77-Pad2) on Bottom: 225.86,29.48 225.88,29.91 225.92,30.27 225.99,30.58 226.07,30.85 226.16,31.1 226.26,31.34 226.35,31.59 226.43,31.86 226.49,32.18 226.52,32.56 224.56,33.42 223.78,31.42 224.01,31.23 224.22,31.07 224.42,30.92 224.6,30.78 224.76,30.64 224.9,30.48 225.01,30.29 225.09,30.07 225.14,29.8 225.16,29.48
Net-(D78-Pad2) on Bottom: 254.15,22.92 253.94,22.98 253.79,23.09 253.7,23.22 253.66,23.38 253.66,23.56 253.69,23.75 253.74,23.96 253.81,24.18 253.88,24.4 253.94,24.62 252.18,25.84 252.02,23.42 252.29,23.35 252.5,23.26 252.68,23.16 252.84,23.05 252.99,22.93 253.14,22.81 253.31,22.7 253.51,22.59 253.76,22.5 254.06,22.42
Net-(D78-Pad2) on Bottom: 261.44,29.47 261.46,29.9 261.52,30.26 261.6,30.56 261.69,30.82 261.8,31.07 261.91,31.3 262.02,31.55 262.12,31.82 262.19,32.14 262.24,32.52 260.3,33.42 259.47,31.45 259.71,31.24 259.93,31.07 260.14,30.93 260.34,30.78 260.51,30.64 260.66,30.48 260.78,30.3 260.87,30.07 260.93,29.8 260.94,29.47
Net-(D79-Pad2) on Bottom: 270.42,24.4 270.61,24.37 270.74,24.31 270.81,24.2 270.85,24.07 270.85,23.91 270.82,23.73 270.78,23.54 270.72,23.34 270.66,23.15 270.6,22.96 272.32,21.68 272.19,24.15 271.96,24.17 271.77,24.22 271.61,24.31 271.47,24.41 271.35,24.52 271.21,24.63 271.06,24.73 270.89,24.82 270.68,24.88 270.42,24.9
Net-(D80-Pad2) on Bottom: 321.11,29.48 321.13,29.91 321.17,30.27 321.24,30.58 321.32,30.85 321.41,31.1 321.51,31.34 321.6,31.59 321.68,31.87 321.74,32.18 321.77,32.56 319.81,33.42 319.03,31.42 319.26,31.23 319.48,31.07 319.67,30.92 319.85,30.78 320.01,30.64 320.15,30.48 320.26,30.29 320.34,30.07 320.39,29.8 320.41,29.48
Net-(D81-Pad2) on Bottom: 21.87,10.18 21.74,10.23 21.63,10.27 21.53,10.3 21.44,10.32 21.28,10.35 21.19,10.36 21.11,10.38 21.02,10.41 20.92,10.46 20.5,10.05 20.92,9.65 21.06,9.72 21.13,9.75 21.19,9.77 21.26,9.79 21.33,9.8 21.4,9.8 21.47,9.79 21.56,9.77 21.65,9.73
Net-(D81-Pad2) on Bottom: 15.66,10.43 15.28,10.58 14.97,10.76 14.73,10.97 14.56,11.22 14.44,11.49 14.38,11.78 14.36,12.1 14.38,12.44 14.45,12.79 14.54,13.16 12.8,14.42 12.47,12.03 12.89,11.87 13.21,11.68 13.48,11.47 13.71,11.25 13.92,11.01 14.13,10.78 14.38,10.55 14.67,10.33 15.05,10.13 15.52,9.95
Net-(D81-Pad2) on Bottom: 18.24,4.02 18.06,4.04 17.94,4.11 17.87,4.21 17.84,4.35 17.85,4.51 17.89,4.68 17.95,4.87 18.02,5.07 18.09,5.26 18.16,5.44 16.5,6.8 16.6,4.34 16.82,4.31 16.99,4.25 17.14,4.16 17.26,4.05 17.38,3.93 17.5,3.81 17.64,3.69 17.8,3.6 18,3.54 18.24,3.52
Net-(D82-Pad2) on Bottom: 39.49,10.49 39.11,10.63 38.8,10.81 38.56,11.02 38.39,11.27 38.28,11.54 38.22,11.83 38.2,12.15 38.23,12.49 38.28,12.85 38.36,13.22 36.58,14.41 36.29,12.02 36.71,11.87 37.04,11.69 37.3,11.48 37.53,11.27 37.74,11.04 37.96,10.81 38.21,10.59 38.5,10.37 38.88,10.18 39.35,10.01
Net-(D82-Pad2) on Bottom: 42.14,4.08 41.95,4.1 41.83,4.17 41.75,4.27 41.72,4.41 41.72,4.56 41.75,4.74 41.8,4.93 41.86,5.12 41.93,5.31 41.99,5.5 40.29,6.8 40.41,4.34 40.63,4.31 40.82,4.26 40.97,4.17 41.1,4.07 41.23,3.96 41.36,3.85 41.5,3.74 41.67,3.66 41.88,3.6 42.14,3.58
Net-(D83-Pad2) on Bottom: 65.95,4.08 65.77,4.1 65.64,4.17 65.57,4.27 65.53,4.41 65.54,4.56 65.57,4.74 65.61,4.93 65.67,5.12 65.74,5.31 65.8,5.5 64.1,6.8 64.22,4.34 64.45,4.31 64.63,4.26 64.78,4.17 64.92,4.07 65.04,3.96 65.17,3.85 65.32,3.74 65.49,3.66 65.69,3.6 65.95,3.58
Net-(D83-Pad2) on Bottom: 63.45,10.42 63.04,10.53 62.71,10.7 62.45,10.91 62.26,11.16 62.13,11.44 62.05,11.75 62.03,12.09 62.04,12.45 62.09,12.83 62.18,13.22 60.4,14.41 60.24,11.99 60.67,11.86 61.01,11.68 61.28,11.47 61.5,11.23 61.71,10.97 61.93,10.72 62.18,10.47 62.48,10.25 62.86,10.07 63.35,9.93
Net-(D84-Pad2) on Bottom: 141.9,5.49 142.31,5.47 142.64,5.41 142.92,5.33 143.17,5.22 143.39,5.1 143.82,4.82 144.06,4.67 144.35,4.53 144.7,4.41 146,6.11 144.25,7.35 143.98,7.14 143.76,6.94 143.56,6.75 143.39,6.57 143.21,6.41 143.03,6.27 142.82,6.15 142.57,6.06 142.27,6.01 141.9,5.99
Net-(D84-Pad2) on Bottom: 134.09,11.19 133.83,11.21 133.64,11.29 133.49,11.42 133.4,11.6 133.35,11.8 133.34,12.03 133.36,12.28 133.41,12.54 133.48,12.79 133.56,13.04 131.93,14.43 132.06,11.96 132.34,11.93 132.56,11.83 132.74,11.69 132.89,11.51 133.03,11.32 133.17,11.13 133.33,10.95 133.53,10.81 133.78,10.72 134.1,10.69
Net-(D84-Pad2) on Bottom: 144.2,9.16 144.18,8.73 144.14,8.37 144.07,8.06 143.99,7.79 143.9,7.54 143.8,7.3 143.71,7.05 143.64,6.77 143.58,6.46 143.54,6.08 145.5,5.22 146.28,7.22 146.05,7.41 145.84,7.57 145.64,7.72 145.46,7.86 145.3,8 145.16,8.16 145.05,8.35 144.97,8.57 144.92,8.84 144.9,9.16
Net-(D85-Pad2) on Bottom: 205.14,11.55 204.94,11.57 204.8,11.65 204.73,11.76 204.7,11.91 204.71,12.09 204.75,12.28 204.81,12.49 204.88,12.71 204.96,12.92 205.03,13.13 203.32,14.42 203.45,11.96 203.67,11.93 203.86,11.86 204,11.76 204.13,11.64 204.25,11.5 204.37,11.37 204.51,11.24 204.68,11.14 204.88,11.07 205.14,11.05
Net-(D86-Pad2) on Bottom: 230.25,4.08 230.07,4.1 229.95,4.17 229.87,4.27 229.84,4.41 229.84,4.56 229.87,4.74 229.92,4.93 229.98,5.12 230.04,5.31 230.1,5.5 228.41,6.8 228.53,4.34 228.75,4.31 228.94,4.26 229.09,4.17 229.22,4.07 229.35,3.96 229.48,3.85 229.62,3.74 229.79,3.66 230,3.6 230.25,3.58
Net-(D86-Pad2) on Bottom: 227.61,10.49 227.23,10.63 226.92,10.81 226.68,11.02 226.51,11.26 226.4,11.53 226.34,11.83 226.32,12.15 226.35,12.49 226.4,12.85 226.48,13.22 224.7,14.41 224.41,12.02 224.83,11.87 225.16,11.69 225.42,11.48 225.65,11.26 225.86,11.04 226.08,10.81 226.33,10.58 226.63,10.37 227,10.18 227.47,10.01
Net-(D87-Pad2) on Bottom: 251.27,10.58 250.91,10.74 250.63,10.93 250.42,11.14 250.27,11.37 250.18,11.63 250.13,11.91 250.13,12.21 250.16,12.53 250.22,12.87 250.29,13.22 248.51,14.41 248.12,12.06 248.52,11.89 248.83,11.71 249.1,11.51 249.32,11.31 249.53,11.11 249.75,10.91 249.99,10.7 250.29,10.5 250.65,10.3 251.09,10.11
Net-(D87-Pad2) on Bottom: 254.07,4.08 253.88,4.1 253.76,4.17 253.68,4.27 253.65,4.41 253.65,4.56 253.68,4.74 253.73,4.93 253.79,5.12 253.86,5.31 253.92,5.5 252.22,6.8 252.34,4.34 252.57,4.31 252.75,4.26 252.9,4.17 253.04,4.07 253.16,3.96 253.29,3.85 253.44,3.74 253.61,3.66 253.81,3.6 254.07,3.58
Net-(D88-Pad2) on Bottom: 277.88,4.08 277.7,4.1 277.57,4.17 277.5,4.27 277.47,4.41 277.47,4.56 277.5,4.74 277.55,4.93 277.61,5.12 277.67,5.31 277.73,5.5 276.03,6.8 276.15,4.34 276.38,4.31 276.56,4.26 276.71,4.17 276.85,4.07 276.97,3.96 277.1,3.85 277.25,3.74 277.42,3.66 277.62,3.6 277.88,3.58
Net-(D88-Pad2) on Bottom: 275.24,10.48 274.86,10.62 274.55,10.8 274.31,11.01 274.14,11.26 274.03,11.53 273.97,11.83 273.95,12.15 273.97,12.49 274.03,12.84 274.11,13.22 272.33,14.41 272.04,12.02 272.46,11.87 272.79,11.69 273.06,11.48 273.29,11.26 273.5,11.03 273.71,10.8 273.96,10.58 274.26,10.36 274.63,10.17 275.11,10
Net-(D89-Pad2) on Bottom: 302.06,10.43 302.08,10.86 302.12,11.22 302.19,11.53 302.27,11.8 302.36,12.05 302.46,12.29 302.55,12.54 302.63,12.81 302.69,13.13 302.72,13.51 300.76,14.37 299.98,12.37 300.21,12.18 300.42,12.02 300.62,11.87 300.8,11.73 300.96,11.59 301.1,11.43 301.21,11.24 301.29,11.02 301.34,10.75 301.36,10.43
Net-(D90-Pad2) on Bottom: 321.11,10.43 321.13,10.86 321.17,11.22 321.24,11.53 321.32,11.8 321.41,12.05 321.51,12.29 321.6,12.54 321.68,12.81 321.74,13.13 321.77,13.51 319.81,14.37 319.03,12.37 319.26,12.18 319.47,12.02 319.67,11.87 319.85,11.73 320.01,11.59 320.15,11.43 320.26,11.24 320.34,11.02 320.39,10.75 320.41,10.43
Net-(D91-Pad2) on Bottom: 340.16,10.43 340.18,10.86 340.22,11.22 340.29,11.53 340.37,11.8 340.46,12.05 340.56,12.29 340.65,12.54 340.73,12.81 340.79,13.13 340.82,13.51 338.86,14.37 338.08,12.37 338.31,12.18 338.52,12.02 338.72,11.87 338.9,11.73 339.06,11.59 339.2,11.43 339.31,11.24 339.39,11.02 339.44,10.75 339.46,10.43

Small or netless copper shapes (teardrops, artwork), in the pictures only: 54 on Top, 233 on Bottom

## Text on the board
B.Silkscreen: 1.25U | SPLIT | STEPPED | FULL | 1.5U | 1U | 6.25U | 7U | ISO | ANSI | JST | Slime88 Rev1 / © Zykrah 2022 / https://github.com/zykrah/slime88 | BOOT | RESET / 3V3 / GND / SWDIO / SWCLK | GND / GPIO4 / GPIO5 / GPIO6 / GPIO7 / GPIO8 / GPIO9 / GPIO10 / 5V / 3V3
F.Silkscreen: RP2040 | BOOT | Rev1 © Zykrah 2022 | Slime88
